# Altium PCB AltitudeDynamicsControlBoard.PcbDoc (part 1 of 3) (continued)
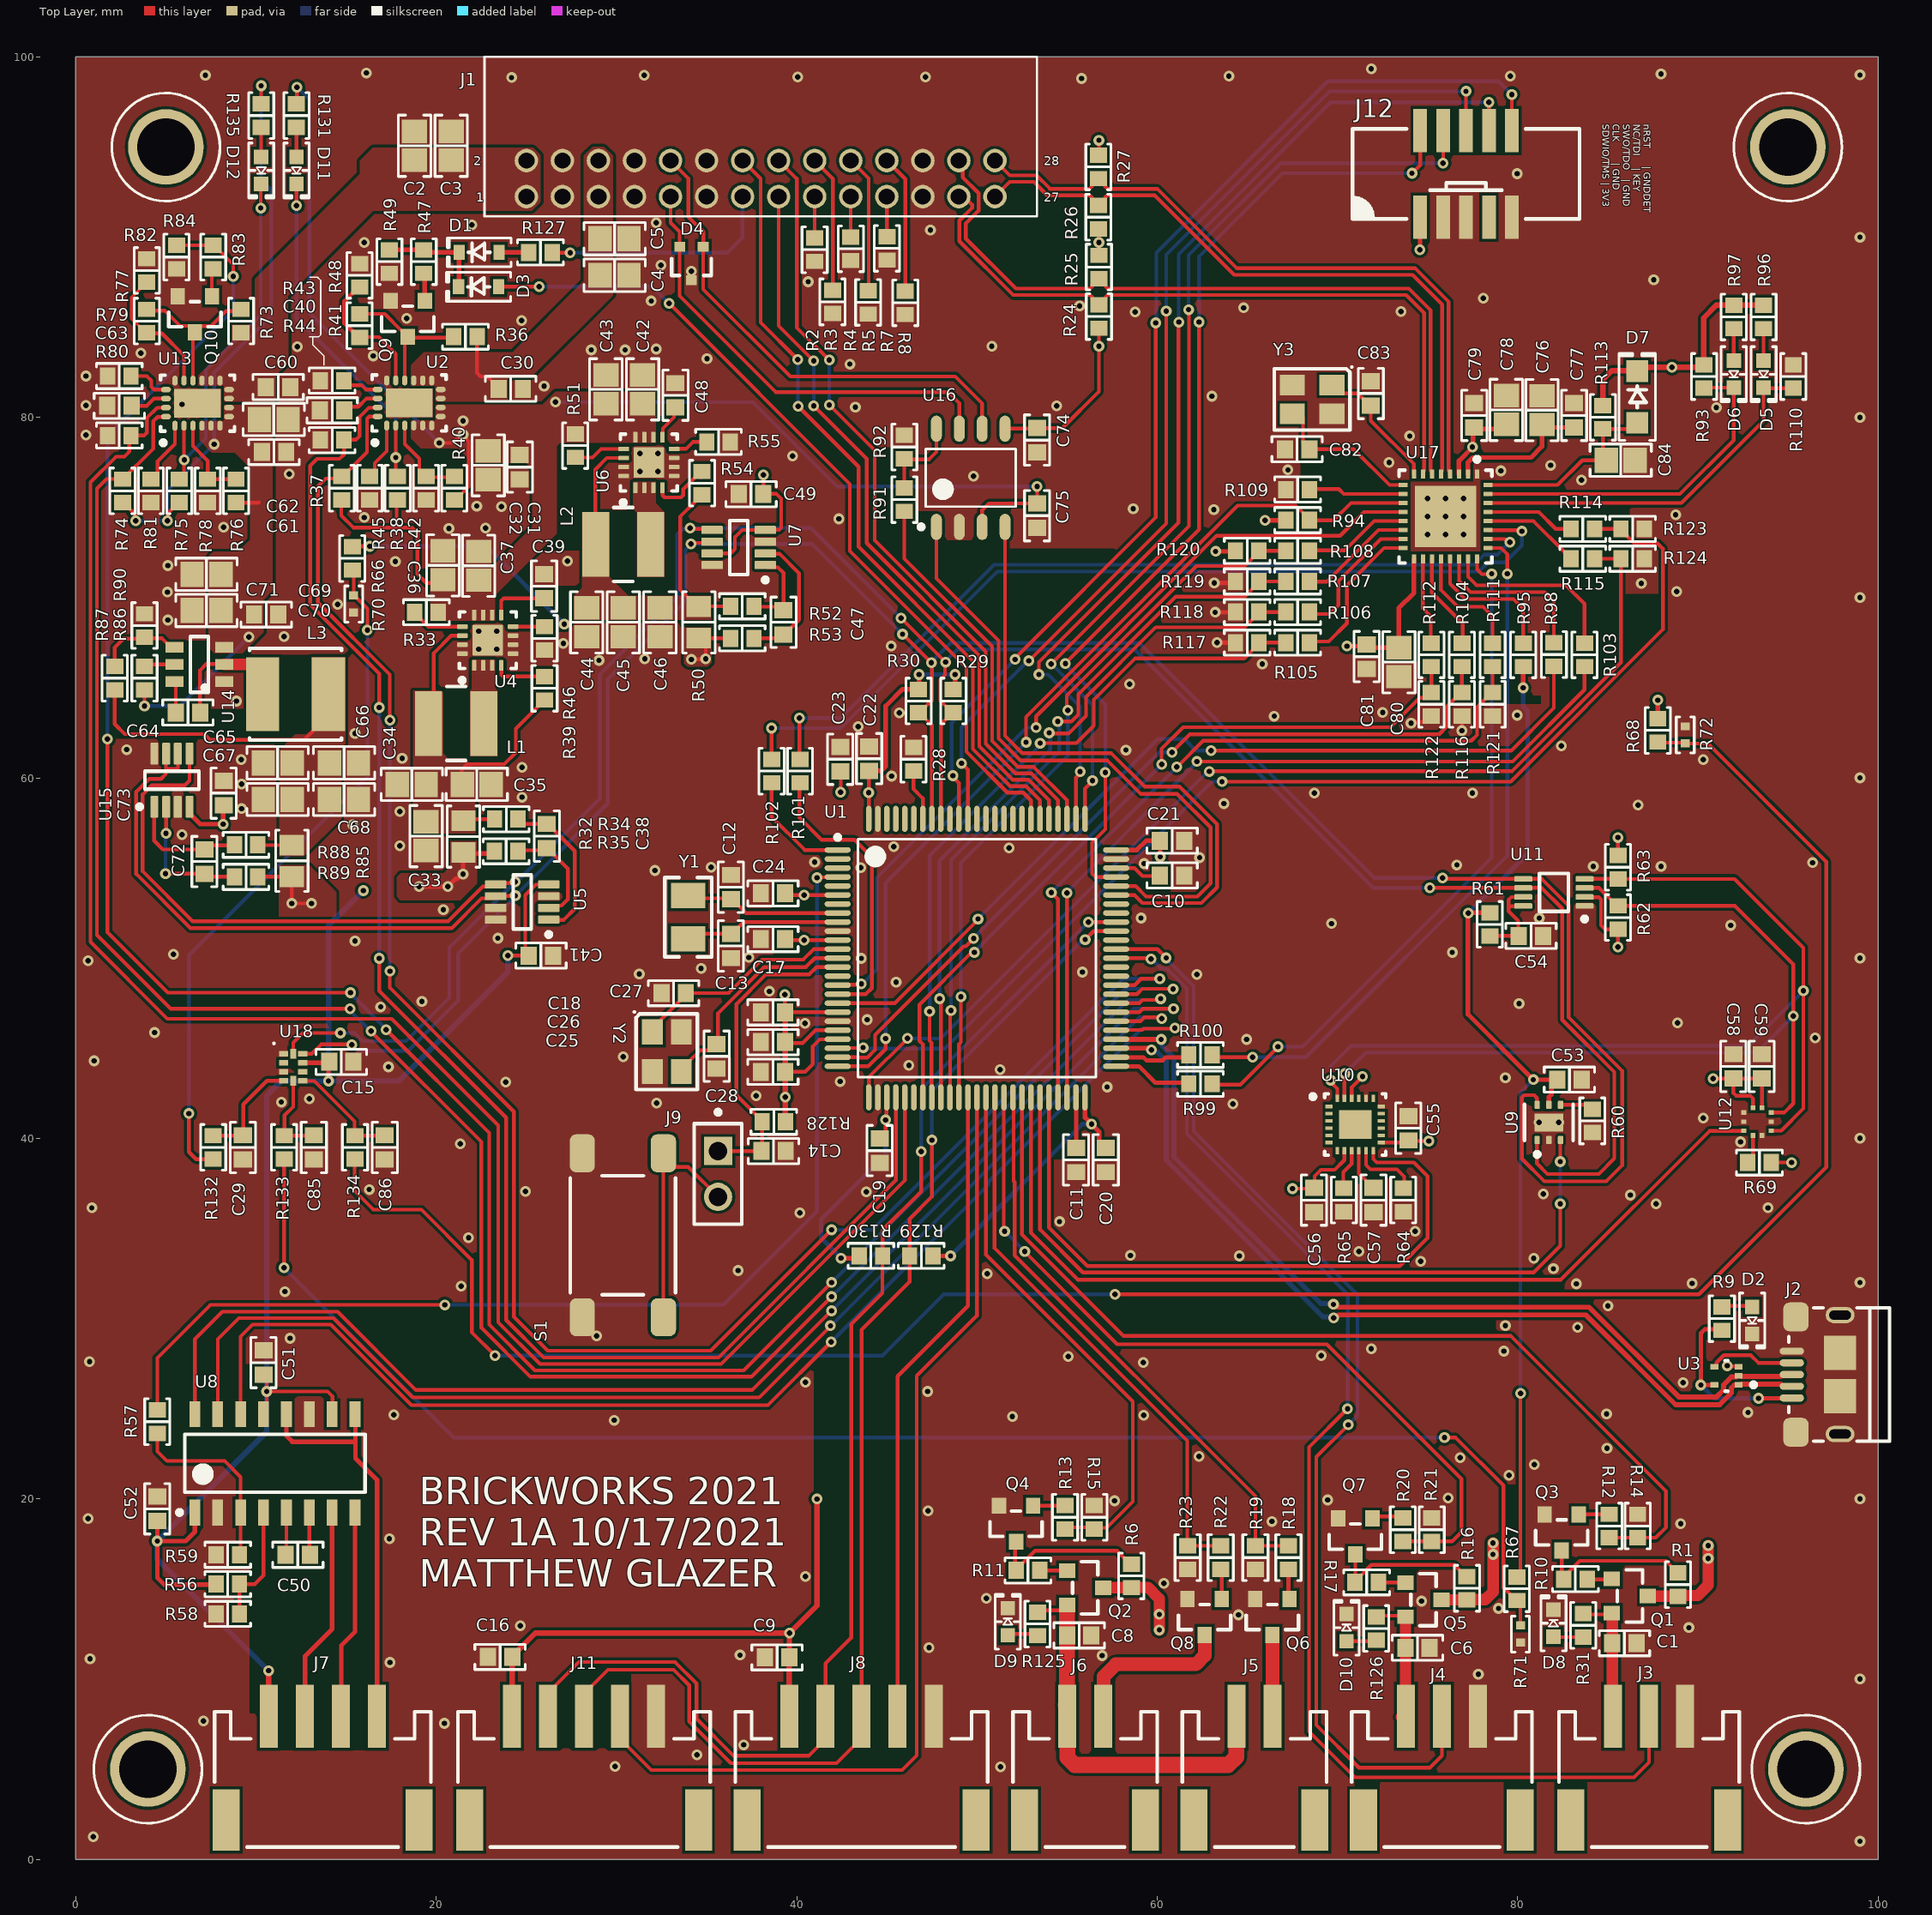
[diagram p0: Top Layer view]
## Components (designator, comment, footprint, x,y, rotation, side; value= is the part's Value field where it differs from the comment) (continued)
R78 "45.3 kOhms" "RES 0603_1608" 7.315,75.921 r90 top
R79 "82.5 kOhms" "RES 0603_1608" 2.413,82.296 r0 top
R80 "57.6 kOhms" "RES 0603_1608" 2.413,78.994 r0 top
R81 "10 kOhms" "RES 0603_1608" 4.166,75.921 r90 top
R82 "32.4 kOhms" "RES 0603_1608" 3.937,88.153 r270 top
R83 "50 Ohms" "RES 0603_1608" 7.62,88.9 r90 top
R84 "10 kOhms" "RES 0603_1608" 5.588,88.9 r90 top
R85 "20 mOhms" "RES 0805_2012" 11.989,55.397 r270 top
R86 "10 kOhms" "RES 0603_1608" 3.81,65.532 r90 top
R87 "69.8 kOhms" "RES 0603_1608" 2.159,65.532 r270 top
R88 "10 Ohms" "RES 0603_1608" 9.449,56.286 r0 top
R89 "10 Ohms" "RES 0603_1608" 9.449,54.508 r0 top
R90 "10 kOhms" "RES 0603_1608" 3.81,68.453 r270 top
R91 "100 Ohms" "RES 0603_1608" 45.974,75.438 r270 top
R92 "10 kOhms" "RES 0603_1608" 45.974,78.359 r270 top
R93 "10 kOhms" "RES 0603_1608" 90.348,82.271 r90 top
R94 "1 kOhms" "RES 0603_1608" 67.8,74.3 r180 top
R95 "1 kOhms" "RES 0603_1608" 80.316,66.827 r270 top
R96 "240 Ohms" "RES 0603_1608" 93.65,85.573 r90 top
R97 "240 Ohms" "RES 0603_1608" 91.999,85.573 r90 top
R98 "22 Ohms" "RES 0603_1608" 82.016,66.842 r90 top
R99 "22 Ohms" "RES 0603_1608" 62.408,43.028 r180 top
R100 "22 Ohms" "RES 0603_1608" 62.408,44.628 r180 top
R101 "22 Ohms" "RES 0603_1608" 40.183,60.376 r270 top
R102 "22 Ohms" "RES 0603_1608" 38.608,60.376 r270 top
R103 "22 Ohms" "RES 0603_1608" 83.716,66.827 r90 top
R104 "22 Ohms" "RES 0603_1608" 76.916,66.827 r90 top
R105 "22 Ohms" "RES 0603_1608" 67.8,67.5 r0 top
R106 "22 Ohms" "RES 0603_1608" 67.8,69.2 r0 top
R107 "22 Ohms" "RES 0603_1608" 67.8,70.9 r0 top
R108 "22 Ohms" "RES 0603_1608" 67.8,72.6 r0 top
R109 "6.49 kOhms" "RES 0603_1608" 67.8,76 r0 top
R110 "1 kOhms" "RES 0603_1608" 95.301,82.271 r270 top
R111 "22 Ohms" "RES 0603_1608" 78.616,66.827 r90 top
R112 "22 Ohms" "RES 0603_1608" 75.216,66.827 r90 top
R113 "10 kOhms" "RES 0603_1608" 84.734,80.01 r90 top
R114 "22 Ohms" "RES 0603_1608" 83.617,73.812 r180 top
R115 "22 Ohms" "RES 0603_1608" 83.617,72.161 r180 top
R116 "1 kOhms" "RES 0603_1608" 76.916,64.084 r90 top
R117 "1 kOhms" "RES 0603_1608" 65,67.5 r0 top
R118 "1 kOhms" "RES 0603_1608" 65,69.2 r0 top
R119 "1 kOhms" "RES 0603_1608" 65,70.9 r0 top
R120 "10 kOhms" "RES 0603_1608" 65,72.6 r0 top
R121 "1 kOhms" "RES 0603_1608" 78.616,64.084 r90 top
R122 "1 kOhms" "RES 0603_1608" 75.216,64.084 r90 top
R123 "1 kOhms" "RES 0603_1608" 86.385,73.812 r180 top
R124 "1 kOhms" "RES 0603_1608" 86.385,72.161 r180 top
R125 "1 kOhms" "RES 0603_1608" 53.365,13.056 r90 top
R126 "1 kOhms" "RES 0603_1608" 72.161,12.802 r90 top
R127 "0 Ohms" "RES 0603_1608" 25.781,89.154 r180 top
R128 "10 kOhms" "RES 0603_1608" 38.735,40.919 r180 top
R129 "4.7 kOhms" "RES 0603_1608" 46.914,33.477 r0 top
R130 "4.7 kOhms" "RES 0603_1608" 44.12,33.477 r180 top
R131 "1 kOhms" "RES 0603_1608" 12.243,96.749 r270 top
R132 "680 Ohms" "RES 0603_1608" 7.62,39.497 r90 top
R133 "680 Ohms" "RES 0603_1608" 11.557,39.497 r90 top
R134 "680 Ohms" "RES 0603_1608" 15.494,39.497 r90 top
R135 "4.7 kOhms" "RES 0603_1608" 10.287,96.749 r90 top
S1 "FSM6JSMAASTR" "TE FSM6JSMA" 30.353,34.62 r180 top
U1 "SCH - MICROCONTROLLER - STM32F407VET6TR" "PCB - LEADLESS - QFP - ST LQFP-100 14X14MM" 50,50 r0 top
U2 "SCH - POWER - EFUSE - TPS25942A" "PCB - LEADLESS - QFN - TI 20-WQFN" 18.5,80.8 r90 top
U3 "TPD3E001DRLR" FP-DRL0005A-MFG 91.592,26.822 r90 top
U4 "TPS62152RGTT" RGT0016C_V 22.86,67.64 r90 top
U5 "INA219AIDCNR" DCN0008A_M 24.765,53.111 r180 top
U6 "TPS62151RGTT" RGT0016C_V 31.8,77.5 r90 top
U7 "INA219AIDCNR" DCN0008A_M 36.781,72.781 r180 top
U8 "SCH - DATA ACQUISITION - ADC - TI ADS1231" "PCB - LEADS - SOIC - TI 16-SOIC" 11.049,21.971 r90 top
U9 "TMP117AIDRVR" FP-DRV0006A-MFG 81.737,40.884 r90 top
U10 "SCH - SENSOR - IMU - ICM-20948" "PCB - LEADLESS - QFN - TDK 24-TFQFN" 70.993,40.767 r0 top
U11 "PCA9306IDCURQ1" DCU0008A_M 82.017,53.645 r180 top
U12 "SCH - SENSOR - PRESSURE - BMP388" "PCB - LEADLESS - BOSCH LGA10" 93.319,40.927 r0 top
U13 "SCH - POWER - EFUSE - TPS25942A" "PCB - LEADLESS - QFN - TI 20-WQFN" 6.751,80.792 r90 top
U14 "SCH - REGULATOR - BUCK - TI TPS565201DDCR" "PCB - LEADS - SOT- TI TSOT-23-6" 6.858,66.294 r180 top
U15 "INA219AIDCNR" DCN0008A_M 5.334,59.868 r90 top
U16 "SCH - INTERFACE - CAN - TI TCAN1051V" "PCB - LEADS - SOIC - TI SOIC-8" 49.657,76.65 r90 top
U17 "KSZ8081MNXIA-TR" FP-QFN55-32LD-PL-5-MFG 76,74.5 r270 top
U18 "SCH - DATA ACQUISITION - ADC - TI TLA2024" "PCB - LEADLESS - QFN - TI X2QFN-10" 12.065,43.942 r0 top
Y1 "32.768kHz" "ABRACON ABS07" 33.985,52.273 r270 top
Y2 "25MHz" "EPSON TSX-3225" 32.791,44.806 r270 top
Y3 "25MHz" "EPSON TSX-3225" 68.6,81 r180 top

## Footprints (in the part's own frame and the unit in brackets; to place one, negate y for a bottom-side part, rotate by r counter-clockwise, add the part's x,y. Pads: shape width x height; smd on the part's side, far side on the other; paste and mask are expansions set on the pad)
0878332820 [mm] "28 pin milli-grid header, right-angle"
  round 1.3 hole 0.9: 1(0,-2) 2(0,0) 3(2,-2) 4(2,0) 5(4,-2) 6(4,0) 7(6,-2) 8(6,0) 9(8,-2) 10(8,0) 11(10,-2) 12(10,0) 13(12,-2) 14(12,0) 15(14,-2) 16(14,0) 17(16,-2) 18(16,0) 19(18,-2) 20(18,0) 21(20,-2) 22(20,0) 23(22,-2) 24(22,0) 25(24,-2) 26(24,0) 27(26,-2) 28(26,0)
  silkscreen extent -2.32,-3.09 28.33,5.75, body extent -2.32,-2.25 28.33,6.4, height 6.35
"ABRACON ABS07" [mm] "Crystal, 2-Leads, Body 3.20x1.50mm, IPC Medium Density"
  rect 1.4x1.9 smd: 1(-1.2,0) 2(1.2,0)
  silkscreen extent -2.2,-1.3 2.2,1.3, body extent -1.62,-0.77 1.63,0.78, height 0.9
"BOURNS SRN4018" [mm] "Power Inductor, 2-Leads, Bourns, SRN4018-220M"
  rect 1.5x3.6 smd: 1(-1.525,0) 2(1.525,0)
  silkscreen extent -0.53,-2.05 0.53,2.05, body extent -2.05,-2.05 2.05,2.05, height 1.8
"CAP 0603_1608" [mm] "Chip Capacitor, 2-Leads, Body 1.60x0.80mm, IPC Medium Density"
  rect 0.9x1 smd: 1(-0.675,0) 2(0.675,0)
  silkscreen extent -1.4,-0.7 1.4,0.7, body extent -0.8,-0.41 0.8,0.41, height 0.82
"CAP 0805_2012" [mm] "Chip Capacitor, 2-Leads, Body 2.00x1.20mm, IPC Medium Density"
  rect 1.3x1.4 smd: 1(-0.8,0) 2(0.8,0)
  silkscreen extent -1.7,-0.9 1.7,0.9, body extent -1,-0.64 1,0.64, height 1.26
"CNC TECH 3221-10-0300-00" [mm]
  rect 2.4x0.76 smd: 1(-2.4,2.54) 2(-2.4,1.27) 3(-2.4,0) 4(-2.4,-1.27) 5(-2.4,-2.54) 6(2.4,-2.54) 7(2.4,-1.27) 8(2.4,0) 9(2.4,1.27) 10(2.4,2.54)
  silkscreen extent -2.5,-6.3 2.5,6.3, body extent -2.75,-6.32 2.75,6.33, height 5.6
DCN0008A_M [mm] "SOT23, 8-Leads, Body 3x1.75mm, Pitch 0.65mm, IPC Low Density"
  rrect22% 1.2x0.45 smd: 1(-1.475,0.975) 2(-1.475,0.325) 3(-1.475,-0.325) 4(-1.475,-0.975) 5(1.475,-0.975) 6(1.475,-0.325) 7(1.475,0.325) 8(1.475,0.975)
  silkscreen extent -1.6,-1.5 0.5,1.92, body extent -0.88,-1.5 0.87,1.5, height 1.45
DCU0008A_M [mm] "SOP, 8-Leads, Body 2.4x2.1mm, Pitch 0.5mm, IPC Low Density"
  rrect33% 1x0.3 smd: 1(-1.7,0.75) 2(-1.7,0.25) 3(-1.7,-0.25) 4(-1.7,-0.75) 5(1.7,-0.75) 6(1.7,-0.25) 7(1.7,0.25) 8(1.7,0.75)
  silkscreen extent -1.83,-1.05 0.8,1.6, body extent -1.56,-1 1.56,1, height 0.9
"DIODES SOT-23-3" [mm] "SOT23, 3-Leads, Body 2.90x2.40mm, Pitch 0.95mm, IPC Medium Density"
  rect 0.9x0.8 smd: 1(-1,0.95) 2(-1,-0.95) 3(1,0)
  silkscreen extent -0.7,-1.45 0.7,1.45, body extent -1.41,-1.45 1.41,1.45, height 1.5
"EPSON TSX-3225" [mm] "Crystal, 4-Leads, Body 2.50x3.20mm, Pitch 2.20mm, IPC Medium Density"
  rect 1.4x1.15 smd: 1(-1.1,-0.8) 2(1.1,-0.8) 3(1.1,0.8) 4(-1.1,0.8)
  silkscreen extent -2.25,-1.85 2.1,1.7, body extent -1.61,-1.26 1.61,1.26, height 0.6
"FCI USB 10118193-0001LF" [mm] "USB 2.0 Type B Micro"
  oval 0.4x1.35 smd: 1(1.3,-2.625) 2(0.65,-2.625) 3(0,-2.625) 4(-0.65,-2.625) 5(-1.3,-2.625)
  oval 0.9x1.6 hole 0.5 slot 1.2 at 90 deg: S(-3.3,0.05) S(3.3,0.05)
  rrect50% 1.6x1.4 smd: S(-3.2,-2.4) S(3.2,-2.4)
  rect 1.9x1.8 smd: S(-1.2,0.05) S(1.2,0.05)
  silkscreen extent -3.7,-2.8 3.7,2.8, body extent -3.93,-2.9 3.93,2.76, height 2.78
FP-DRL0005A-MFG [mm]
  rect 0.3x0.45 smd paste-1000 mask-1000: 1(-0.5,-0.675) 2(0,-0.675) 3(0.5,-0.675) 4(0.5,0.675) 5(-0.5,0.675)
  silkscreen extent -0.85,-1.63 0.85,0.08, body extent -1.1,-1.05 1.1,1.05, height 0.25
FP-DRV0006A-MFG [mm]
  rrect33% 0.45x0.3 smd paste+0 mask+0: 1(-0.975,0.65) 2(-0.975,0) 3(-0.975,-0.65) 4(0.975,-0.65) 5(0.975,0) 6(0.975,0.65)
  rrect10% 1x1.6 smd paste-1000 mask+0: 7(0,0)
  silkscreen extent -1.9,-1.35 1,1.35, body extent -1.3,-1.15 1.3,1.15, height 0.25
FP-LQH5BPN_38-MFG [mm]
  rect 1.85x4.1 smd paste+0 mask+0: 1(-1.825,0) 2(1.825,0)
  silkscreen extent -2.55,-2.55 2.55,2.55, body extent -2.85,-2.65 2.85,2.65, height 0.25
FP-M20-9990246-MFG [mm]
  rect 1.57x1.57 hole 1.02 paste-1000 mask+0: 1(-1.27,0)
  round 1.57 hole 1.02 paste-1000 mask+0: 2(1.27,0)
  silkscreen extent -3.55,-1.32 2.79,1.32, body extent -2.89,-1.42 2.89,1.42, height 0.25
FP-QFN55-32LD-PL-5-MFG [mm]
  rect 0.5x0.23 smd paste+0 mask+0: 1(-2.35,1.75) 2(-2.35,1.25) 3(-2.35,0.75) 4(-2.35,0.25) 5(-2.35,-0.25) 6(-2.35,-0.75) 7(-2.35,-1.25) 8(-2.35,-1.75) 17(2.35,-1.75) 18(2.35,-1.25) 19(2.35,-0.75) 20(2.35,-0.25) 21(2.35,0.25) 22(2.35,0.75) 23(2.35,1.25) 24(2.35,1.75)
  rect 0.23x0.5 smd paste+0 mask+0: 9(-1.75,-2.35) 10(-1.25,-2.35) 11(-0.75,-2.35) 12(-0.25,-2.35) 13(0.25,-2.35) 14(0.75,-2.35) 15(1.25,-2.35) 16(1.75,-2.35) 25(1.75,2.35) 26(1.25,2.35) 27(0.75,2.35) 28(0.25,2.35) 29(-0.25,2.35) 30(-0.75,2.35) 31(-1.25,2.35) 32(-1.75,2.35)
  rect 3.4x3.4 smd paste-1000 mask+0: 33(0,0)
  silkscreen extent -3.3,-2.58 2.58,2.58, body extent -2.7,-2.7 2.7,2.7, height 0.25
FP-SOT323-MFG [mm]
  rect 0.55x0.6 smd paste-1000 mask+0: 1(-0.925,0.65) 2(-0.925,-0.65) 3(0.925,0)
  silkscreen extent -0.28,-1.1 0.67,1.1, body extent -1.33,-1.2 1.33,1.2, height 0.25
"JST S2B-PH-SM4-TB" [mm] "JST PH Series 2mm pitch, side entry connector"
  rect 1x3.5 smd: 1(-1,-4.25) 2(1,-4.25)
  rect 1.5x3.4 smd: M(-3.35,1.5) M(3.35,1.5)
  silkscreen extent -4,-4.5 4,3, body extent -3.95,-5.6 3.95,3.01, height 5.6
"JST S3B-PH-SM4-TB" [mm] "JST PH Series 2mm pitch, side entry connector"
  rect 1x3.5 smd: 1(-2,-4.25) 2(0,-4.25) 3(2,-4.25)
  rect 1.5x3.4 smd: M(-4.35,1.5) M(4.35,1.5)
  silkscreen extent -5,-4.5 5,3, body extent -4.95,-5.6 4.95,3.01, height 5.6
"JST S4B-PH-SM4-TB" [mm] "JST PH Series 2mm pitch, side entry connector"
  rect 1x3.5 smd: 1(-3,-4.25) 2(-1,-4.25) 3(1,-4.25) 4(3,-4.25)
  rect 1.5x3.4 smd: M(-5.35,1.5) M(5.35,1.5)
  silkscreen extent -6,-4.5 6,3, body extent -5.95,-5.6 5.95,3.01, height 5.6
"JST S5B-PH-SM4-TB" [mm] "JST PH Series 2mm pitch, side entry connector"
  rect 1x3.5 smd: 1(-4,-4.25) 2(-2,-4.25) 3(0,-4.25) 4(2,-4.25) 5(4,-4.25)
  rect 1.5x3.4 smd: M(-6.35,1.5) M(6.35,1.5)
  silkscreen extent -7,-4.5 7,3, body extent -6.95,-5.6 6.95,3.01, height 5.6
"LED 0603_1608 GREEN" [mm] "Chip Diode, 2-Leads, Body 1.60x0.80mm, IPC Medium Density"
  rect 0.8x0.8 smd: 1(-0.75,0) 2(0.75,0)
  silkscreen extent -1.52,-0.7 1.52,0.7, body extent -0.8,-0.4 0.8,0.4, height 0.53
"ON SEMI SOT-23-3" [mm] "SOT23, 3-Leads, Body 2.90x2.40mm, Pitch 0.95mm, IPC Medium Density"
  rect 0.9x0.8 smd: 1(-1,0.95) 2(-1,-0.95) 3(1,0)
  silkscreen extent -0.7,-1.45 0.7,1.45, body extent -1.16,-1.45 1.16,1.45, height 1
"PCB - LEADLESS - BOSCH LGA10" [mm]
  rect 0.25x0.275 smd: 1(0.25,0.763) 5(0.25,-0.763) 6(-0.25,-0.763) 10(-0.25,0.763)
  rect 0.275x0.25 smd: 2(0.763,0.5) 3(0.763,0) 4(0.763,-0.5) 7(-0.763,-0.5) 8(-0.763,0) 9(-0.763,0.5)
  body extent -1,-1 1,1, height 0.8
"PCB - LEADLESS - QFN - TDK 24-TFQFN" [mm]
  rect 0.4x0.2 smd: 1(-1.45,1) 2(-1.45,0.6) 3(-1.45,0.2) 4(-1.45,-0.2) 5(-1.45,-0.6) 6(-1.45,-1) 13(1.45,-1) 14(1.45,-0.6) 15(1.45,-0.2) 16(1.45,0.2) 17(1.45,0.6) 18(1.45,1)
  rect 0.2x0.4 smd: 7(-1,-1.45) 8(-0.6,-1.45) 9(-0.2,-1.45) 10(0.2,-1.45) 11(0.6,-1.45) 12(1,-1.45) 19(1,1.45) 20(0.6,1.45) 21(0.2,1.45) 22(-0.2,1.45) 23(-0.6,1.45) 24(-1,1.45)
  rect 1.8x1.6 smd: 25(0,0)
  silkscreen extent -2.47,-1.7 1.7,1.7, body extent -1.5,-1.5 1.5,1.5, height 1
"PCB - LEADLESS - QFN - TI 20-WQFN" [mm] "PQFN, 20-Leads, Body 3.00x4.00mm, Pitch 0.50mm, Thermal Pad 1.60x2.60mm, IPC Medium Density"
  oval 0.55x0.3 smd: 1(-1.25,1.25) 2(-1.25,0.75) 3(-1.25,0.25) 4(-1.25,-0.25) 5(-1.25,-0.75) 6(-1.25,-1.25) 11(1.25,-1.25) 12(1.25,-0.75) 13(1.25,-0.25) 14(1.25,0.25) 15(1.25,0.75) 16(1.25,1.25)
  oval 0.3x0.55 smd: 7(-0.75,-1.75) 8(-0.25,-1.75) 9(0.25,-1.75) 10(0.75,-1.75) 17(0.75,1.75) 18(0.25,1.75) 19(-0.25,1.75) 20(-0.75,1.75)
  rect 1.6x2.6 smd: 21(0,0)
  silkscreen extent -2.32,-2.05 1.55,2.05, body extent -1.5,-2 1.5,2, height 0.8
"PCB - LEADLESS - QFN - TI X2QFN-10" [mm]
  rect 0.5x0.3 smd: 1(-0.525,0.75) 2(-0.525,0.25) 3(-0.525,-0.25) 4(-0.525,-0.75) 6(0.525,-0.75) 7(0.525,-0.25) 8(0.525,0.25) 9(0.525,0.75)
  rect 0.35x0.55 smd: 5(0,-0.75) 10(0,0.75)
  silkscreen extent -1.12,1.28 -1.02,1.37, body extent -0.75,-1 0.75,1, height 0.4
"PCB - LEADLESS - QFP - ST LQFP-100 14X14MM" [mm] "LQFP, 100-Leads, Body 14.00x14.00mm, Pitch 0.50mm, IPC Medium Density"
  oval 1.45x0.3 smd: 1(-7.725,6) 2(-7.725,5.5) 3(-7.725,5) 4(-7.725,4.5) 5(-7.725,4) 6(-7.725,3.5) 7(-7.725,3) 8(-7.725,2.5) 9(-7.725,2) 10(-7.725,1.5) 11(-7.725,1) 12(-7.725,0.5) 13(-7.725,0) 14(-7.725,-0.5) 15(-7.725,-1) 16(-7.725,-1.5) 17(-7.725,-2) 18(-7.725,-2.5) 19(-7.725,-3) 20(-7.725,-3.5) 21(-7.725,-4) 22(-7.725,-4.5) 23(-7.725,-5) 24(-7.725,-5.5) 25(-7.725,-6) 51(7.725,-6) 52(7.725,-5.5) 53(7.725,-5) 54(7.725,-4.5) 55(7.725,-4) 56(7.725,-3.5) 57(7.725,-3) 58(7.725,-2.5) 59(7.725,-2) 60(7.725,-1.5) 61(7.725,-1) 62(7.725,-0.5) 63(7.725,0) 64(7.725,0.5) 65(7.725,1) 66(7.725,1.5) 67(7.725,2) 68(7.725,2.5) 69(7.725,3) 70(7.725,3.5) 71(7.725,4) 72(7.725,4.5) 73(7.725,5) 74(7.725,5.5) 75(7.725,6)
  oval 0.3x1.45 smd: 26(-6,-7.725) 27(-5.5,-7.725) 28(-5,-7.725) 29(-4.5,-7.725) 30(-4,-7.725) 31(-3.5,-7.725) 32(-3,-7.725) 33(-2.5,-7.725) 34(-2,-7.725) 35(-1.5,-7.725) 36(-1,-7.725) 37(-0.5,-7.725) 38(0,-7.725) 39(0.5,-7.725) 40(1,-7.725) 41(1.5,-7.725) 42(2,-7.725) 43(2.5,-7.725) 44(3,-7.725) 45(3.5,-7.725) 46(4,-7.725) 47(4.5,-7.725) 48(5,-7.725) 49(5.5,-7.725) 50(6,-7.725) 76(6,7.725) 77(5.5,7.725) 78(5,7.725) 79(4.5,7.725) 80(4,7.725) 81(3.5,7.725) 82(3,7.725) 83(2.5,7.725) 84(2,7.725) 85(1.5,7.725) 86(1,7.725) 87(0.5,7.725) 88(0,7.725) 89(-0.5,7.725) 90(-1,7.725) 91(-1.5,7.725) 92(-2,7.725) 93(-2.5,7.725) 94(-3,7.725) 95(-3.5,7.725) 96(-4,7.725) 97(-4.5,7.725) 98(-5,7.725) 99(-5.5,7.725) 100(-6,7.725)
  silkscreen extent -7.85,-6.6 6.6,6.82, body extent -8,-8 8,8, height 1.58
"PCB - LEADS - SOIC - TI 16-SOIC" [mm] "SOIC, 16-Leads, Body 9.90x3.90mm, Pitch 1.27mm, IPC Medium Density"
  rect 1.45x0.6 smd: 1(-2.725,4.445) 2(-2.725,3.175) 3(-2.725,1.905) 4(-2.725,0.635) 5(-2.725,-0.635) 6(-2.725,-1.905) 7(-2.725,-3.175) 8(-2.725,-4.445) 9(2.725,-4.445) 10(2.725,-3.175) 11(2.725,-1.905) 12(2.725,-0.635) 13(2.725,0.635) 14(2.725,1.905) 15(2.725,3.175) 16(2.725,4.445)
  silkscreen extent -2.85,-5 1.6,5.42, body extent -3.01,-4.95 3.01,4.95, height 1.75
"PCB - LEADS - SOIC - TI SOIC-8" [mm] "SOIC, 8-Leads, Body 4.91x3.90mm, Pitch 1.27mm, IPC Medium Density"
  oval 1.45x0.6 smd: 1(-2.725,1.905) 2(-2.725,0.635) 3(-2.725,-0.635) 4(-2.725,-1.905) 5(2.725,-1.905) 6(2.725,-0.635) 7(2.725,0.635) 8(2.725,1.905)
  silkscreen extent -2.85,-2.5 1.6,2.88, body extent -3.01,-2.45 3.01,2.45, height 1.63
"PCB - LEADS - SOT- TI TSOT-23-6" [mm]
  rect 1x0.6 smd: 1(-1.375,0.95) 2(-1.375,0) 3(-1.375,-0.95) 4(1.375,-0.95) 5(1.375,0) 6(1.375,0.95)
  silkscreen extent -0.5,-1.55 0.5,1.55, body extent -1.4,-1.45 1.4,1.45, height 1.1
"PTC 0402_1005" [mm] "Chip Thermistor, 2-Leads, Body 1.02x0.51mm, IPC Medium Density"
  rect 0.45x0.5 smd: 1(-0.475,0) 2(0.475,0)
  silkscreen extent -1,-0.5 1,0.5, body extent -0.5,-0.26 0.5,0.26, height 0.52
"RES 0603_1608" [mm] "Chip Resistor, 2-Leads, Body 1.60x0.80mm, IPC Medium Density"
  rect 0.85x0.95 smd: 1(-0.65,0) 2(0.65,0)
  silkscreen extent -1.27,-0.7 1.27,0.7, body extent -0.8,-0.4 0.8,0.4, height 0.45
"RES 0805_2012" [mm] "Chip Resistor, 2-Leads, Body 2.00x1.25mm, IPC Medium Density"
  rect 1.15x1.35 smd: 1(-0.875,0) 2(0.875,0)
  silkscreen extent -1.7,-0.9 1.7,0.9, body extent -1,-0.62 1,0.63, height 0.6
RGT0016C_V [mm] "QFN, 16-Leads, Body 3x3mm, Pitch 0.5mm, Thermal Pad 1.65x1.65mm"
  rrect40% 0.6x0.25 smd: 1(-1.4,0.75) 2(-1.4,0.25) 3(-1.4,-0.25) 4(-1.4,-0.75) 9(1.4,-0.75) 10(1.4,-0.25) 11(1.4,0.25) 12(1.4,0.75)
  rrect40% 0.25x0.6 smd: 5(-0.75,-1.4) 6(-0.25,-1.4) 7(0.25,-1.4) 8(0.75,-1.4) 13(0.75,1.4) 14(0.25,1.4) 15(-0.25,1.4) 16(-0.75,1.4)
  rrect6% 1.55x1.55 on Top Paste: 17(0,0)
  rrect6% 1.7x1.7 smd paste-0.85: 17(0,0)
  silkscreen extent -2.35,-1.57 1.57,1.58, body extent -1.5,-1.5 1.5,1.5, height 1
SOD123F [mm] "SODFL, 2-Leads, Body 1.60x3.50mm, IPC Medium Density"
  rect 1.2x1.2 smd: 1(-1.43,0) 2(1.43,0)
  silkscreen extent -2.41,-1.02 2.41,1.02, body extent -1.75,-0.8 1.75,0.8, height 1.1
SOD323 [mm] "SOD, 2-Leads, Body 1.25x2.50mm, IPC Medium Density"
  rect 0.625x0.83 smd: 1(-1.112,0) 2(1.112,0)
  silkscreen extent -1.78,-0.8 1.78,0.8, body extent -1.36,-0.62 1.36,0.62, height 1.05
"TE FSM6JSMA" [mm]
  rrect50% 1.4x2.1 smd: 1(2.25,4.55) 2(2.25,-4.55) 3(-2.25,4.55) 4(-2.25,-4.55)
  silkscreen extent -2.92,-3.3 2.92,3.3, body extent -3,-5 3,5, height 7.11

## Part data
C1 C6 C8 C10 C11: library part EMK107BJ225KA-T, "CAP CER 2.2UF 16V X5R 0603", Device Package="0603 (1608 Metric)", Manufacturer="Taiyo Yuden", Operating Temperature="-55°C ~ 85°C", Supplier Part Number 1=587-1430-1-ND, Temperature Coefficient=X5R, Tolerance=±10%, Voltage - Rated=16V, Applications="General Purpose", Capacitance=2.2µF, ComponentLink1Description=Datasheet, ComponentLink1URL="https://ds.yuden.co.jp/TYCOMPAS/ut/detail?pn=EMK107BJ225KA-T  &u=M", ComponentLink2Description="DigiKey Link", ComponentLink2URL=http://digikey.com/product-detail/en/taiyo-yuden/EMK107BJ225KA-T/587-1430-1-ND/1004061, LastUpdated="9/2/2020 1:03:30 AM", Lifecycle Status=Active, Minimum Order=1, Mounting Type="Surface Mount, MLCC", Package / Case="0603 (1608 Metric)", Packaging=TapeAndReel, PartId=5619, Part Number=EMK107BJ225KA-T, Part Status=Active, Price=0.02, Series=M, Size / Dimension="0.063\" L x 0.031\" W (1.60mm x 0.80mm)", Supplier 1=DigiKey, Thickness (Max)="0.035\" (0.90mm)"
C2 C3 C4 C5 C32 C33 C34 C35 C36 C37 C42 C43 C44 C45 C46 C62 C65 C66 C67 C68 C69 C70 C84: library part CC0805KKX5R7BB106, "CAP CER 10UF 16V X5R 0805", Device Package="0805 (2012 Metric)", Manufacturer=Yageo, Operating Temperature="-55°C ~ 85°C", Supplier Part Number 1=311-1865-1-ND, Temperature Coefficient=X5R, Tolerance=±10%, Voltage - Rated=16V, Applications="General Purpose", Capacitance=10µF, ComponentLink1Description=Datasheet, ComponentLink1URL=https://www.yageo.com/upload/media/product/productsearch/datasheet/mlcc/UPY-GPHC_X5R_4V-to-50V_25.pdf, ComponentLink2Description="DigiKey Link", ComponentLink2URL=http://digikey.com/product-detail/en/yageo/CC0805KKX5R7BB106/311-1865-1-ND/5195767, LastUpdated="9/2/2020 1:04:30 AM", Lifecycle Status=Active, Minimum Order=1, Mounting Type="Surface Mount, MLCC", Package / Case="0805 (2012 Metric)", Packaging=TapeAndReel, PartId=8867, Part Number=CC0805KKX5R7BB106, Part Status=Active, Price=0.09, Series=CC, Size / Dimension="0.079\" L x 0.049\" W (2.00mm x 1.25mm)", Supplier 1=DigiKey, Thickness (Max)="0.057\" (1.45mm)"
C9 C14 C15 C16 C17 C18 C19 C20 C21 C22 C25 C30 C31 C38 C41 C47 C49 C50 C51 C52 C53 C54 C55 C56 C57 C58 C59 C60 C61 C64 C71 C72 C73 C74 C75 C77 C79 C81: library part CL10B104KA8WPNC, "CAP CER 0.1UF 25V X7R 0603", Device Package="0603 (1608 Metric)", Manufacturer="Samsung Electro-Mechanics", Operating Temperature="-55°C ~ 125°C", Ratings=AEC-Q200, Supplier Part Number 1=1276-6717-1-ND, Temperature Coefficient=X7R, Tolerance=±10%, Voltage - Rated=25V, Applications=Automotive, Capacitance=0.1µF, ComponentLink1Description=Datasheet, ComponentLink1URL=http://www.samsungsem.com/kr/support/product-search/mlcc/CL10B104KA8WPNC.jsp, ComponentLink2Description="DigiKey Link", ComponentLink2URL=http://digikey.com/product-detail/en/samsung-electro-mechanics/CL10B104KA8WPNC/1276-6717-1-ND/5961576, Features="Open Mode", LastUpdated="9/2/2020 1:03:30 AM", Lifecycle Status=Active, Minimum Order=1, Mounting Type="Surface Mount, MLCC", Package / Case="0603 (1608 Metric)", Packaging=TapeAndReel, PartId=5631, Part Number=CL10B104KA8WPNC, Part Status=Active, Price=0.02, Series=CL, Size / Dimension="0.063\" L x 0.031\" W (1.60mm x 0.80mm)", Supplier 1=DigiKey, Thickness (Max)="0.035\" (0.90mm)"
C12 C13: library part CBR06C219B5GAC, "CAP CER RF 2.1PF 50V +/-0.1 PF C", Device Package="0603 (1608 Metric)", Manufacturer=KEMET, Operating Temperature="-55°C ~ 125°C", Supplier Part Number 1=399-16153-1-ND, Temperature Coefficient="C0G, NP0", Tolerance=±0.1pF, Voltage - Rated=50V, Applications="RF, Microwave, High Frequency", Capacitance=2.1pF, ComponentLink1Description=Datasheet, ComponentLink1URL=https://api.kemet.com/component-edge/download/datasheet/CBR06C219B5GAC.pdf, ComponentLink2Description="DigiKey Link", ComponentLink2URL=http://digikey.com/product-detail/en/kemet/CBR06C219B5GAC/399-16153-1-ND/7649738, Features="High Q, Low Loss, Ultra Low ESR", LastUpdated="9/2/2020 1:03:15 AM", Lifecycle Status=Active, Minimum Order=1, Mounting Type="Surface Mount, MLCC", Package / Case="0603 (1608 Metric)", Packaging=TapeAndReel, PartId=13663, Part Number=CBR06C219B5GAC, Part Status=Active, Price=0.05, Series="CBR-SMD RF C0G", Size / Dimension="0.063\" L x 0.031\" W (1.60mm x 0.80mm)", Supplier 1=DigiKey, Thickness (Max)="0.034\" (0.87mm)"
C23: library part C1608X5R1C475K080AC, "CAP CER 4.7UF 16V X5R 0603", Device Package="0603 (1608 Metric)", Manufacturer="TDK Corporation", Operating Temperature="-55°C ~ 85°C", Supplier Part Number 1=445-7478-1-ND, Temperature Coefficient=X5R, Tolerance=±10%, Voltage - Rated=16V, Applications="General Purpose", Capacitance=4.7µF, ComponentLink1Description=Datasheet, ComponentLink1URL=https://product.tdk.com/info/en/catalog/datasheets/mlcc_commercial_general_en.pdf?ref_disty=digikey, ComponentLink2Description="DigiKey Link", ComponentLink2URL=http://digikey.com/product-detail/en/tdk-corporation/C1608X5R1C475K080AC/445-7478-1-ND/2733550, Features="Low ESL", LastUpdated="9/2/2020 1:03:17 AM", Lifecycle Status=Active, Minimum Order=1, Mounting Type="Surface Mount, MLCC", Package / Case="0603 (1608 Metric)", Packaging=TapeAndReel, PartId=12901, Part Number=C1608X5R1C475K080AC, Part Status=Active, Price=0.06, Series=C, Size / Dimension="0.063\" L x 0.031\" W (1.60mm x 0.80mm)", Supplier 1=DigiKey, Thickness (Max)="0.035\" (0.90mm)"
C24 C26: library part GCM188R71C105KA64J, "CAP CER 1UF 16V X7R 0603", Device Package="0603 (1608 Metric)", Manufacturer="Murata Electronics", Operating Temperature="-55°C ~ 125°C", Ratings=AEC-Q200, Supplier Part Number 1=490-12657-1-ND, Temperature Coefficient=X7R, Tolerance=±10%, Voltage - Rated=16V, Applications=Automotive, Capacitance=1µF, ComponentLink1Description=Datasheet, ComponentLink1URL=https://www.murata.com/~/media/webrenewal/support/library/catalog/products/capacitor/mlcc/c03e.ashx?la=en-us, ComponentLink2Description="DigiKey Link", ComponentLink2URL=http://digikey.com/product-detail/en/murata-electronics/GCM188R71C105KA64J/490-12657-1-ND/5797626, LastUpdated="9/2/2020 1:03:14 AM", Lifecycle Status=Active, Minimum Order=1, Mounting Type="Surface Mount, MLCC", Package / Case="0603 (1608 Metric)", Packaging=TapeAndReel, PartId=13992, Part Number=GCM188R71C105KA64J, Part Status=Active, Price=0.03, Series=GCM, Size / Dimension="0.063\" L x 0.031\" W (1.60mm x 0.80mm)", Supplier 1=DigiKey, Thickness (Max)="0.035\" (0.90mm)"